# Altium PCB PCB_3U_SMA.PCBDOC (part 1 of 2) (continued)
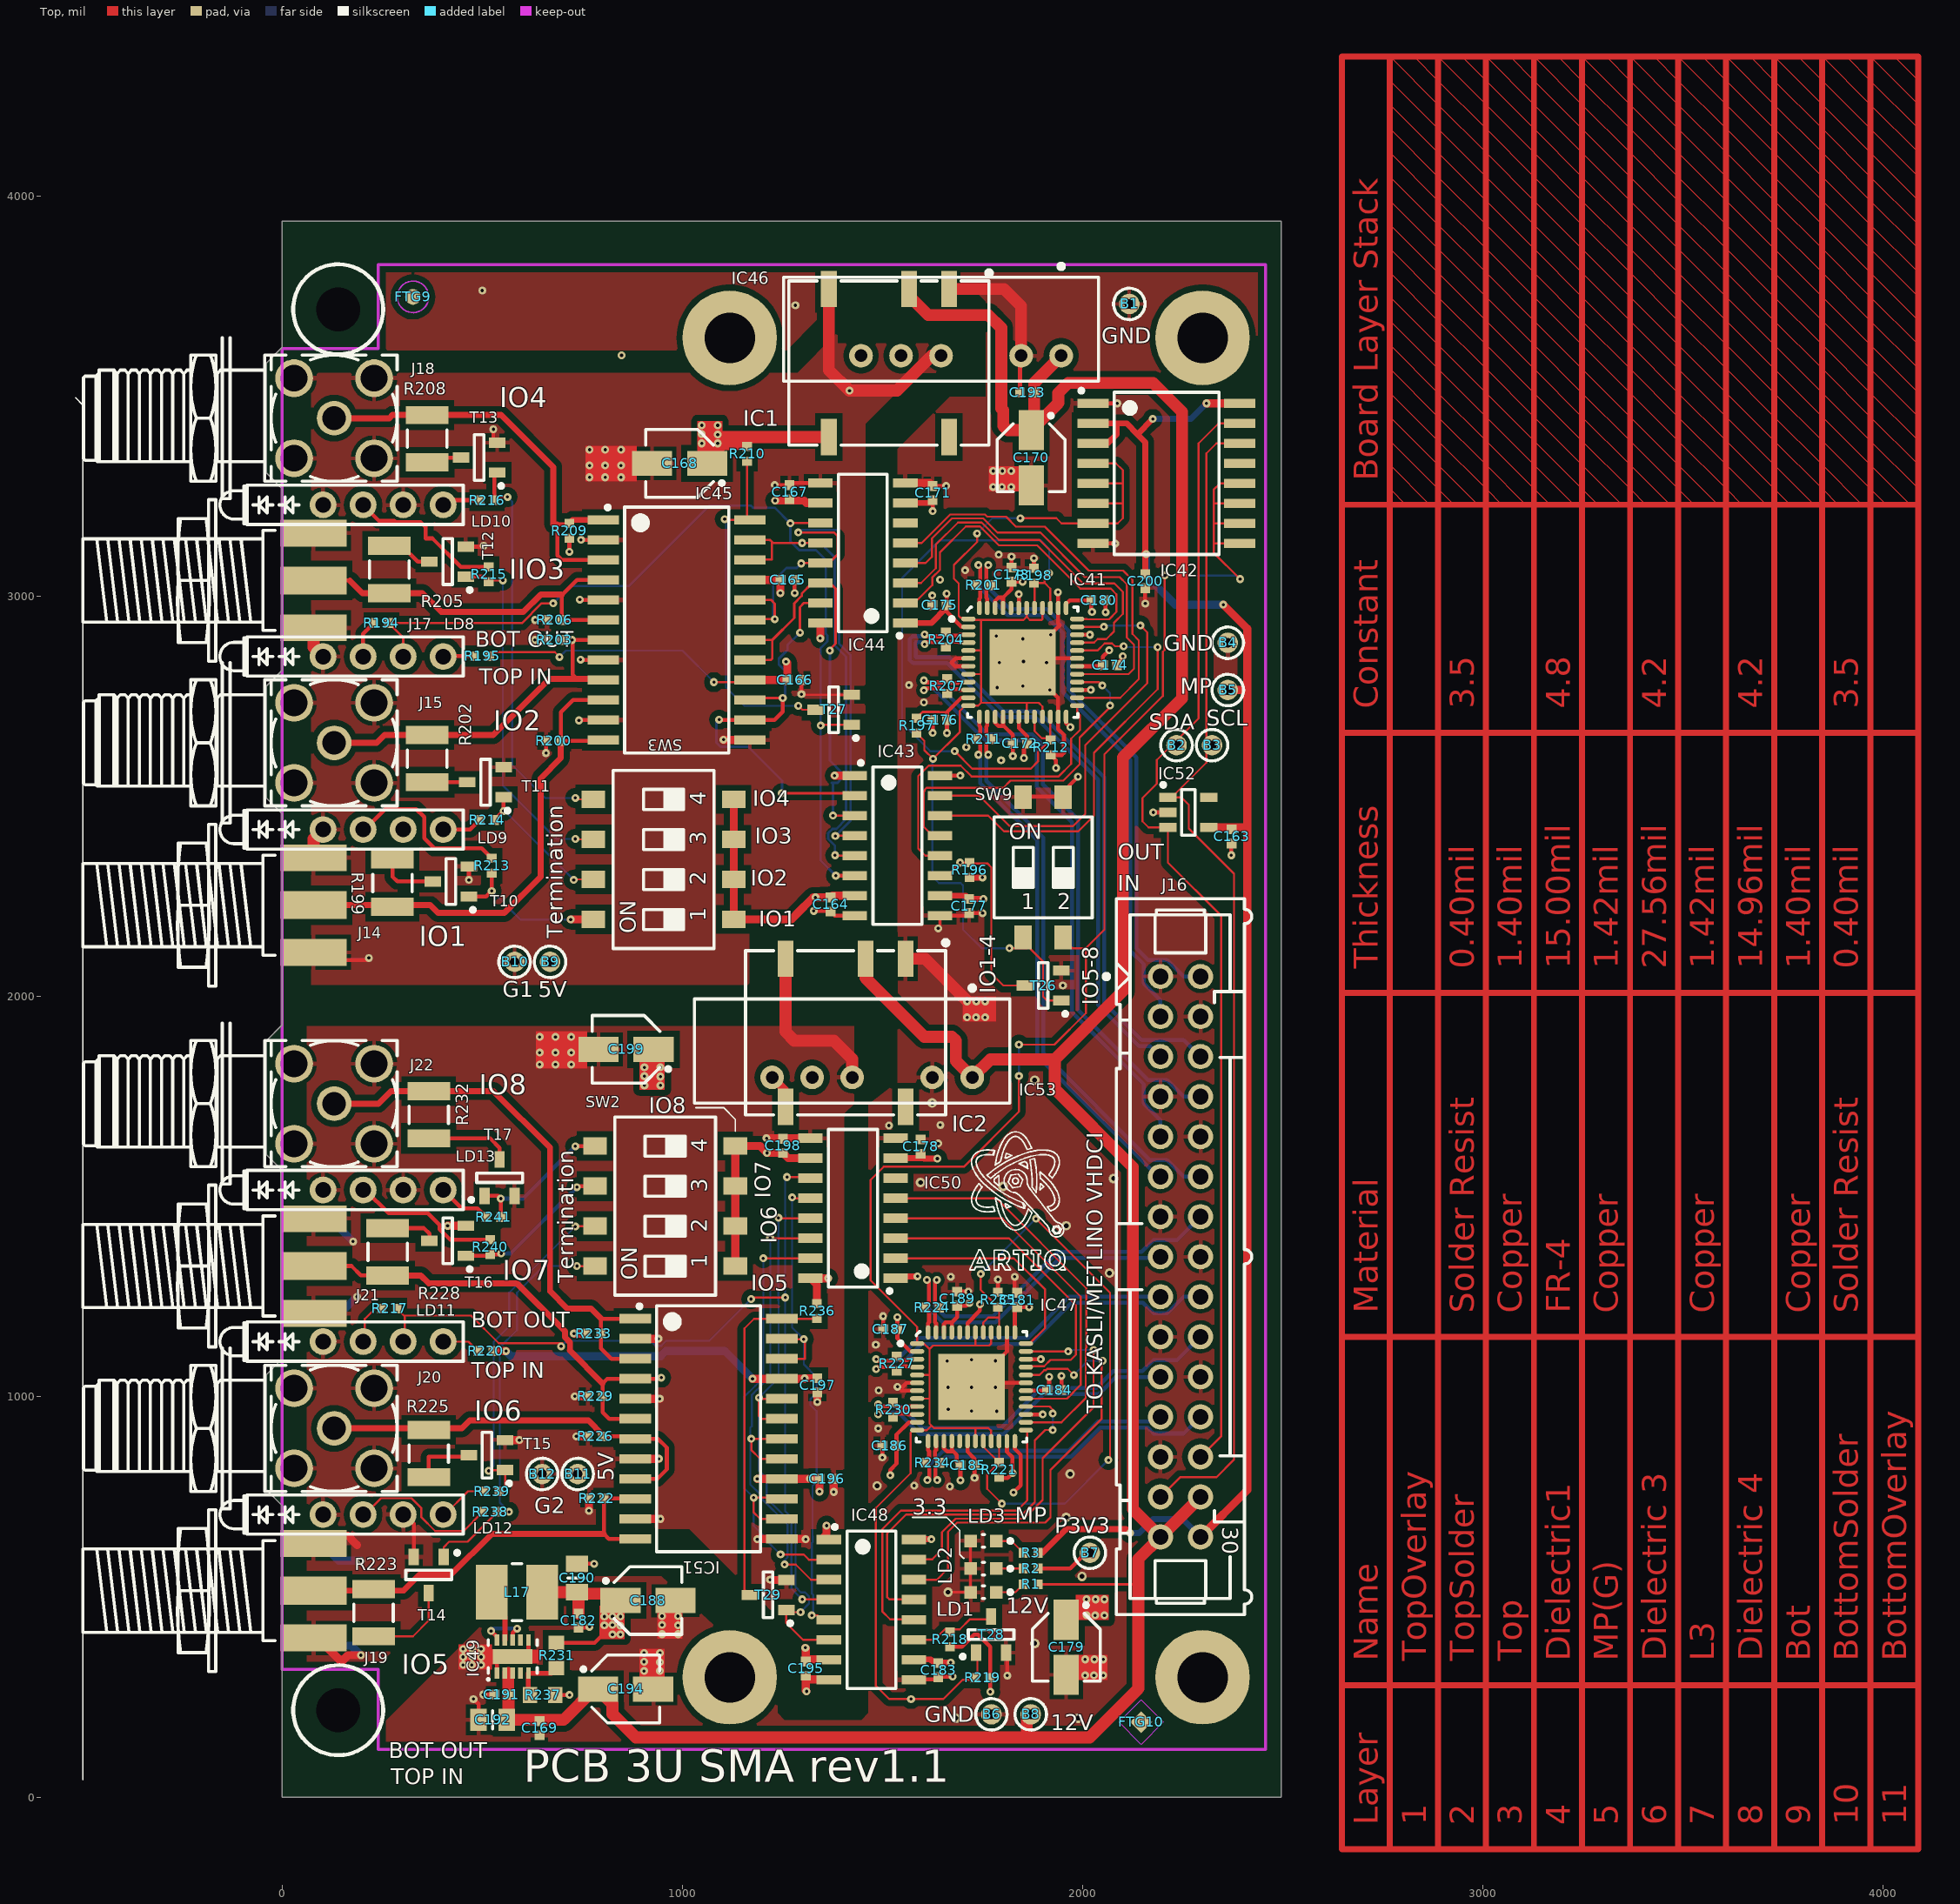
[diagram p0: Top view]
## Footprints (in the part's own frame and the unit in brackets; to place one, negate y for a bottom-side part, rotate by r counter-clockwise, add the part's x,y. Pads: shape width x height; smd on the part's side, far side on the other; paste and mask are expansions set on the pad) (continued)
  rect 2x0.6 smd: 1(-4.65,4.445) 2(-4.65,3.175) 3(-4.65,1.905) 4(-4.65,0.635) 5(-4.65,-0.635) 6(-4.65,-1.905) 7(-4.65,-3.175) 8(-4.65,-4.445) 9(4.65,-4.445) 10(4.65,-3.175) 11(4.65,-1.905) 12(4.65,-0.635) 13(4.65,0.635) 14(4.65,1.905) 15(4.65,3.175) 16(4.65,4.445)
  silkscreen extent -5.52,-5.15 3.32,5.37, body extent -5.18,-5.25 5.18,5.25, height 1.68
SOIC127P1030X265-24N [mm] "SOIC 24, Pitch 1.27mm - Body 7.6x15.6mm, IPC Medium Density"
  rect 2x0.6 smd: 1(-4.65,6.985) 2(-4.65,5.715) 3(-4.65,4.445) 4(-4.65,3.175) 5(-4.65,1.905) 6(-4.65,0.635) 7(-4.65,-0.635) 8(-4.65,-1.905) 9(-4.65,-3.175) 10(-4.65,-4.445) 11(-4.65,-5.715) 12(-4.65,-6.985) 13(4.65,-6.985) 14(4.65,-5.715) 15(4.65,-4.445) 16(4.65,-3.175) 17(4.65,-1.905) 18(4.65,-0.635) 19(4.65,0.635) 20(4.65,1.905) 21(4.65,3.175) 22(4.65,4.445) 23(4.65,5.715) 24(4.65,6.985)
  silkscreen extent -4.5,-7.8 3.3,7.9, body extent -5.18,-7.8 5.18,7.8, height 1.68
SON50P200X300X80-11N-R94X250 [mm] "SON, 10-Leads, Body 2x3mm, Pitch 0.5mm, Thermal Pad 0.94x2.5mm, IPC Medium Density"
  rect 0.7x0.3 smd: 1(-1.05,1) 2(-1.05,0.5) 3(-1.05,0) 4(-1.05,-0.5) 5(-1.05,-1) 6(1.05,-1) 7(1.05,-0.5) 8(1.05,0) 9(1.05,0.5) 10(1.05,1)
  rect 0.94x2.5 smd: 11(0,0)
  silkscreen extent -1.5,-1.55 1.05,1.6, body extent -1.05,-1.55 1.05,1.55, height 0.8
SOT95P240X110-3N [mm] "SOT23 3-Leads, Pitch 0.95mm, Body 1.3x2.9mm, IPC Medium Density"
  rect 1.05x0.65 smd: 1(-1.15,0.95) 2(-1.15,-0.95) 3(1.15,0)
  silkscreen extent -1.53,-1.45 0.3,1.92, body extent -1.25,-1.5 1.25,1.5, height 1.1
SOT95P280X145-5N [mm] "SOT, 0.95mm pitch; 5 pin, 1.60mm W X 2.90mm L X 1.45mm H body, IPC Medium Density"
  rect 1.1x0.6 smd: 1(-1.3,0.95) 2(-1.3,0) 3(-1.3,-0.95) 4(1.3,-0.95) 5(1.3,0.95)
  silkscreen extent -1.72,-1.45 0.43,1.87, body extent -1.4,-1.5 1.4,1.5, height 1.45
SW_OMRON_A6S-2102-H [mm] "Pitch 2.54mm, Body 6.2x6.4mm, 2 Ways SPST Surface-Mounting DIP Switch, OMRON A6S-H"
  rect 1.5x1.1 smd: 1(-4.45,1.27) 2(-4.45,-1.27) 3(4.45,-1.27) 4(4.45,1.27)
  silkscreen extent -3.2,-3.11 3.2,3.11, body extent -4.9,-3.01 4.9,3.01, height 3.97
SW_OMRON_A6S-4102-H [mm] "Pitch 2.54mm, Body 11.3x6.4mm, 4 Ways SPST Surface-Mounting DIP Switch, OMRON A6S-H"
  rect 1.5x1.1 smd: 1(-4.45,3.81) 2(-4.45,1.27) 3(-4.45,-1.27) 4(-4.45,-3.81) 5(4.45,-3.81) 6(4.45,-1.27) 7(4.45,1.27) 8(4.45,3.81)
  silkscreen extent -3.2,-5.65 3.2,5.65, body extent -4.9,-5.55 4.9,5.55, height 3.97

## Part data
B1 B2 B3 B4 B5 B6 B7 B8 B9 B10 B11 B12: library part PLATED_HOLE0.6_PAD1.3, "Single Terminal Socket"
C163 C164 C165 C166 C167 C169 C171 C172 C173 C174 C175 C176 C177 C178 C180 C181 C182 C183 C184 C185 C186 C187 C189 C191 C193 C195 C196 C197 C198 C200: library part CC0402_100NF_16V_10%_X5R, "Non-polarised capacitor"
C168 C170 C179 C188 C194 C199: library part CAE430-540_10UF_16V_20%, "Polarised capacitor"
C190 C192: library part CC0805_22UF_16V_10%_X5R, "Non-polarised capacitor"
FTG9: library part FIDUCIAL_TARGET_C100-200, "Fiducial Target"
FTG10 FTG12: library part FIDUCIAL_TARGET_S100-200, "Fiducial Target"
FTG11: library part FIDUCIAL_TARGET_S200-400, "Fiducial Target"
IC1 IC2: "MURATA, NXE2 Serie, Dual Output DCDC Converter"
IC41 IC47: "4-Channel Half-Duplex M-LVDS Line Transceiver"
IC42: "Remote 8-bit I/O Expander For I2C Bus"
IC43 IC44 IC48 IC50: "Low Power Five-Channel Digital Isolator"
IC45 IC51: "25 Ohms Octal Bus Transceiver With 3-State Outputs"
IC46 IC53: "1 W Watt, 10.8-13.2VDCVin, 5 V@0.2 A"
IC49: "4.75-28VDC to 1-6VDC, 500mA Step-Down Converter With Sleep Mode"
IC52: "1.7V-5.5V, 2K I2C Serial EEPROM With EUI-48 Node Identity"
J14 J17 J19 J21: "50 Ohm, SMA Edge Mount PCB, With Jam Nut And Lock Washer"
J15 J18 J20 J22: "50 Ohm Through Hole SMA Right Angle PCB Jack"
J16: library part 3M_N2530-6002RB, "Connector 30 Male"
L17: library part IND_10UH_10%_MURATA-PS_8400, "Inductor With Core"
LD1 LD2 LD3: library part LED_KINGBRIGHT_KPH-1608CGCK, "LED Green 1C 2A"
LD8 LD11: library part LED_DIALIGHT_571-0112F, "2x LED  Botom Green, Top Red"
LD9 LD10 LD12 LD13: library part LED_DIALIGHT_571-0122F, "LED x2 Green 1C2A-BOT_3C4A-TOP"
R1 R196 R197 R200 R203 R206 R209 R210 R212 R218 R219 R222 R226 R229 R233 R235 R236: library part R0402_10K_1%_0.0625W_100PPM, "Resistor - 1%"
R2 R3 R194 R195 R213 R214 R215 R216 R217 R220 R238 R239 R240 R241: library part R0402_510R_1%_0.0625W_100PPM, "Resistor - 1%"
R198 R201 R204 R207 R211 R221 R224 R227 R230 R234: library part R0402_100R_1%_0.1W_100PPM, "Resistor - 1%"
R199 R202 R205 R208 R223 R225 R228 R232: library part R1210_49R9_1%_0.5W_100PPM_VISHAY_CRCW, "Resistor - 1%"
R231: library part R0603_270K_1%_0.1W_100PPM, "Resistor - 1%"
R237: library part R0603_82K_1%_0.1W_100PPM, "Resistor - 1%"
SW2 SW3: library part SW_OMRON_A6S-4102-H, "4 Ways SPST DIP Switch"
SW9: library part SW_OMRON_A6S-2102-H, "2 Ways SPST DIP Switch"
T10 T11 T12 T13 T14 T15 T16 T17 T26 T27 T28 T29: "N-CHANNEL MOSFET WITH DIODE"

## Free pads (board coordinates)
  round 236.22 hole 125.98: 0(2299.21,299.21) 1(2299.21,3645.67) 2(1118.11,3645.67) 3(1118.11,299.21)
  round 50 hole 110: 1(140,3717) 2(140,217)

## Via types
v1: diameter 19.68, hole 7.87, Top to Bot, tented both sides, 345 vias
v2: diameter 23.62, hole 11.81, Top to Bot, tented both sides, 15 vias

## Nets (pads, with @x,y where several pads share a name; then routed paths per layer and width w, separated by ;. In a path a pad name is that pad's centre, name@x,y a point inside that pad or via, vN(x,y) a via of type N, cw(c..) or ccw(c..) an arc to the next point about the centre after c; other vN are vias at no path point)
DIR1_RD: IC44.6
DIR2_RD: IC50.6
DIR_CTRL1: IC41.1 IC41.5 IC41.8 IC41.12 IC41.19 IC41.21 IC41.40 IC41.42 IC42.4 IC42.5 IC42.6 IC42.7 R197.1 SW9.1 T26.1 | length 2917.1
  Top w5: R197.1@1584.65,2658.66 1604.33,2638.98 1604.33,2615.67 v1(1626,2594) 1693,2661 1693,2714 1705.73,2726.73 IC41.12@1714.17,2726.73 1738.73,2726.73 1746,2734 ; IC41.8@1714.17,2805.47 1745.47,2805.47 1746,2806 ; IC41.5@1714.17,2864.53 1744.47,2864.53 1746,2863 ; v1(1736,3157) 1736,3136 1678,3078 1678,3044 1690,3032 1690,2951 1695,2946 1711.44,2946 IC41.1@1714.17,2943.27 1716.44,2941 1749,2941 ; v1(1816.8,2120.8) SW9.1@1859,2120.8 ; v1(1844,3195) 1934,3195 1947,3182 IC42.7@2025.93,3182 2087,3182 2100,3195 2100,3231 ; SW9.1@1851,2147.64 1851,2137.19 1901,2087.19 1901,2000 1910.84,1990.16 T26.1@1946.28,1990.16 ; IC41.19@1859.84,2699.17 1859.84,2732.16 1858,2734 ; IC41.42@1859.84,2970.83 1859.84,2948.84 ; IC41.40@1897,2968.61 IC41.40@1899.21,2970.83 1899.21,2943.21 1897,2941 1867.69,2941 1859.84,2948.84 ; IC41.21@1899.21,2699.17 1899.21,2724.79 1890,2734 1858,2734 ; IC42.6@2025.93,3232 2099,3232 2100,3231 ; IC42.5@2025.93,3282 2099,3282 2100,3283 ; IC42.4@2025.93,3332 2083,3332 2100,3315 2100,3283 ; 1746,2734 1858,2734 ; 1746,2734 1746,2806 ; 1746,2806 1746,2863 ; 1746,2863 1746,2938 1749,2941 ; 1749,2941 1852,2941 1859.84,2948.84 ; 2100,3231 2100,3283
  Bot w5: v1(1626,2594) 1624.02,2592.02 1624.02,2300.13 1640.69,2283.46 1694.88,2283.46 1700.79,2277.56 1700.79,2167.32 1747.31,2120.8 v1(1816.8,2120.8) ; v1(1736,3157) 1774,3195 v1(1844,3195)
DIR_CTRL2: IC42.9 IC42.10 IC42.11 IC42.12 IC47.1 IC47.5 IC47.8 IC47.12 IC47.19 IC47.21 IC47.40 IC47.42 R219.1 SW9.2 T28.1 | length 5017.3
  Top w5: IC47.8@1586.17,995.47 1616.53,995.47 1617,995 ; IC47.5@1586.17,1054.53 1615.47,1054.53 1617,1053 ; IC47.19@1731.84,889.17 1731.84,921.84 1732,922 ; IC47.42@1731.84,1160.83 1731.84,1129.84 1730,1128 ; T28.1@1736.6,353.72 1736.6,305.1 1724.5,293 1700,293 1652,245 v1(1571,245) 1516,245 1483,278 1483,722 1570,809 1570,910 1576.73,916.73 IC47.12@1586.17,916.73 1610.73,916.73 1622,928 ; IC47.21@1771.21,889.17 1771.21,914.79 1764,922 1732,922 ; IC47.40@1771.21,1160.83 1771.21,1133.21 1766,1128 1730,1128 ; v1(1840.55,1801.18) 1840.55,1712.6 1702.76,1574.8 1502.77,1574.8 1470,1542.03 1470,1291 1586.17,1174.83 IC47.1@1586.17,1133.27 1602.73,1133.27 1617,1119 ; v1(1840.55,1879.92) 1929.13,1879.92 2007.87,1958.66 2007.87,2120.87 ; SW9.2@1951,2147.64 1951,2143.49 1973.69,2120.8 2007.8,2120.8 2007.87,2120.87 ; v1(2205,3052) 2204.34,3051.34 2204.34,2865.82 2200,2861.47 2200,2751 2054,2605 2054,2167 2007.87,2120.87 ; IC42.9@2392.07,3132 2329,3132 2327,3134 ; IC42.10@2392.07,3182 2328,3182 2327,3183 ; IC42.11@2392.07,3232 2330,3232 2327,3229 ; IC42.12@2392.07,3282 2343,3282 2327,3266 2327,3229 ; v1(2393,3043) 2327,3109 2327,3134 ; 1617,995 1617,933 1622,928 ; 1617,995 1617,1053 ; 1617,1053 1617,1119 ; 1617,1119 1626,1128 1730,1128 ; 1622,928 1628,922 1732,922 ; 2327,3134 2327,3183 ; 2327,3183 2327,3229
  Bot w5: v1(1840.55,1801.18) v1(1840.55,1879.92) ; v1(2205,3052) 2384,3052 v1(2393,3043)
GND: B1.1 B4.1 B6.1 C163.1 C169.1 C170.2 C171.1 C172.1 C173.1 C174.1 C175.1 C176.1 C177.1 C178.1 C179.2 C180.1 C181.1 C182.1 C183.1 C184.1 C185.1 C186.1 C187.1 C188.2 C189.1 C190.1 C191.1 C192.1 C193.1 C194.2 C200.1 IC1.1 IC2.1 IC41.6 IC41.7 IC41.18 IC41.23 IC41.27 IC41.31 IC41.34 IC41.38 IC41.43 IC41.49 IC42.1 IC42.8 IC43.9 IC44.8 IC46.2 IC47.6 IC47.7 IC47.18 IC47.23 IC47.27 IC47.31 IC47.34 IC47.38 IC47.43 IC47.49 IC48.9 IC49.1 IC49.6 IC49.11 IC50.8 IC52.2 IC53.2 J16.1 J16.4 J16.7 J16.10 J16.13 J16.16 J16.19 J16.22 J16.25 LD1.1 LD2.1 LD3.1 R198.2 R212.2 R221.2 R235.2 R237.1 SW9.3 SW9.4 T26.2 T28.2 | length 4006.1
  Top w6: v1(1638.81,2170.31) 1643.7,2175.2 1643.3,2175.6 IC43.9@1643.3,2202 ; v2(1663.39,511.81) LD1.1@1719.49,511.81 LD2.1@1719.49,570.87 LD3.1@1719.49,639.76
  Top w10: v1(478,245) 490.57,232.43 C192.1@490.57,193 ; v1(502,256) C191.1@530.28,256 ; IC49.1@536.63,309.66 536.63,343.63 IC49.11@538,345 ; IC49.6@615.37,392.34 615.37,357.63 IC49.11@617,356 ; R237.1@682.5,255 v1(718,255) ; C190.1@736.22,582.68 v1(779.53,582.68) ; C182.1@740.16,423.23 765.75,423.23 v1(767.72,425.2) ; v1(1499.28,848.28) C186.1@1499.28,878 ; C187.1@1501.28,1169 v1(1501.28,1201.28) ; 1547.16,1015.16 IC47.7@1586.17,1015.16 ; 1550,1025 1559.84,1034.84 IC47.6@1586.17,1034.84 ; IC48.9@1560.3,294 1633.72,294 C183.1@1639,299.28 1640.72,301 v1(1675,301) ; v1(1624.02,3001.97) 1624.02,2978.27 C175.1@1624.28,2978 ; C171.1@1625,3275.59 v1(1658.71,3275.59) ; v1(1625.28,2658.72) C176.1@1625.28,2691 ; v1@1636.72,1630.72 v1(1639,1633) ; IC43.9@1643.3,2202 1709.72,2202 C177.1@1716,2208.28 v1(1749.72,2208.28) ; C189.1@1686,1262.72 v1(1714.28,1262.72) ; IC47.18@1712.16,889.17 1712.16,862.84 1729.72,845.28 C185.1@1729.72,829 v1(1729.72,797.28) ; IC47.43@1712.16,1160.83 1712.16,1184.16 1743,1215 v1(1743,1231) ; IC41.7@1714.17,2825.16 1680.84,2825.16 1672,2834 1682.84,2844.84 IC41.6@1714.17,2844.84 ; IC47.49@1722,1025 IC47.49@1731.84,1034.84 ; R221.2@1788,797 1812,797 v1(1825,810) 1824.16,810.84 1824.16,848.84 1810.58,862.42 IC47.23@1810.58,889.17 ; R235.2@1788,1261.5 v1(1788,1293) ; IC47.38@1810.58,1160.83 1810.58,1113.58 IC47.49@1731.84,1034.84 ; v1(1811.4,303.6) T28.2@1811.4,353.72 ; C173.1@1822,3071.72 v1(1822,3099) ; v1(1830,1300) 1830,1265.72 C181.1@1836,1259.72 ; IC41.18@1840.16,2699.17 1840.16,2670.84 1860.72,2650.28 C172.1@1860.72,2632 1853,2624.28 v1(1853,2596) ; IC41.43@1840.16,2970.83 v1(1840.16,3005.16) ; C193.1@1843.28,3509 1843.28,3598.28 IC46.2@1846,3601 ; SW9.4@1853,2500.06 SW9.3@1953,2500.06 ; IC47.27@1857.83,956.1 v1(1899.9,956.1) ; IC47.31@1857.83,1034.84 IC47.49@1731.84,1034.84 ; IC47.34@1857.83,1093.9 v1(1895.1,1093.9) ; R198.2@1878,3070.5 v1(1878,3095) ; v1(1933,2571) 1933,2590.5 R212.2@1920,2603.5 1947.5,2603.5 1953,2609 1953,2654 1938.58,2668.42 IC41.23@1938.58,2699.17 1938.58,2746.42 IC41.49@1850,2835 v1(1852,2837) IC41.49@1859.84,2844.84 ; v1(1938,3010) 1938,2971.41 IC41.38@1938.58,2970.83 1938.58,2931.77 1942.68,2927.68 IC41.49@1859.84,2844.84 ; C184.1@1946.72,1017 v1(1946.72,1052.28) ; SW9.3@1967,2491 1967,2528.02 v1(1988.19,2549.21) ; IC41.27@1985.83,2766.1 v1(2020.1,2766.1) ; IC41.31@1985.83,2844.84 IC41.49@1859.84,2844.84 ; IC41.34@1985.83,2903.9 v1(2017.9,2903.9) ; IC42.8@2025.93,3132 v1(2081,3132) ; IC42.1@2025.93,3482 v1(2086,3482) ; C180.1@2056.72,2990 2056.72,2960.28 v1(2057,2960) ; C174.1@2085.72,2828 2085.72,2830.72 2100,2845 v1(2100,2850) ; v1(2156,2982) C200.1@2156,3020.28 ; v1(2176,2460) IC52.2@2212.82,2460 ; v1(2371,2353) C163.1@2371,2389.82
  Top w20: IC44.8@1556.87,3283.15 1617.44,3283.15 C171.1@1625,3275.59
  Top w30: IC2.1@1557.48,2094.49 1606.3,2094.49 1711,1989.79 v1(1711,1988) ; IC1.1@1665.75,3767.72 1803.15,3767.72 1846,3724.87 IC46.2@1846,3601
  Bot w6: v1@1632.84,2170.31 v1(1638.81,2170.31)
  other v1: 2006,304 2028,304 2051,304 904,315 944,315 452,330 474,330 497,330 944,337 904,338 2006,344 2029,344 2051,344 452,350 475,350 497,350 904,360 944,360 452,370 475,370 497,370 949,407 989,407 989,429 949,430 949,452 989,452 1668,776 1579,778 1489,921 1785,964 1722.44,964.57 1664,969 1490,1016 1663.39,1023.62 1722.44,1023.62 1781.5,1023.62 1537,1025 1661,1089 1782,1090 1722.44,1092.52 1483,1130 1670,1300 1515.75,1677.69 1644,1679 1711,1948 1733,1948 1756,1948 1734,1988 1756,1988 1950.21,2027.56 1796,2590 1709,2623 1603,2735 1918,2766 1786,2772 1850.39,2775.59 1566,2778 1791.34,2834.65 1909.45,2834.65 1850.39,2893.7 1784,2901 1920,2904 1643.7,3041.34 1706,3065 1790,3104 1776,3273 1798,3273 1821,3273 1776,3313 1799,3313 1821,3313 848,3602 1282,3727 500,3764
  other v2: 1683.07,196.85 1988.19,196.85 1879.92,383.86 1998.03,551.18 1958.66,698.82 1486.22,777.56 1968.5,807.09 2066.93,1309.06 1958.66,1427.17 1801.18,1525.59 1594.49,1535.43 2076.77,1545.28 1624.02,1734.02 1879.92,1791.34
GND_ISO1: B10.1 C164.1 C165.1 C166.1 C167.1 C168.2 IC1.7 IC43.8 IC44.9 IC45.2 IC45.5 IC45.8 IC45.11 IC45.13 IC46.4 J14.2 J15.2 J17.2 J18.2 LD8.1 LD9.1 LD9.3 LD10.1 LD10.3 R200.1 R203.1 R206.1 R209.1 T10.2 T11.2 T12.2 T13.2 T27.2 | length 1941.3
  Top w6: v1(1297.24,2755.13) 1298.43,2753.94 T27.2@1423.23,2753.94
  Top w10: J14.2@78.74,2090.85 210.93,2090.85 v1(216.54,2096.46) ; T12.2@458.66,3124.02 501.97,3124.02 v1(503.94,3125.98) ; v1(466.54,2291.33) T10.2@466.54,2324.8 ; v1(527.56,3417.32) 527.56,3393.7 T13.2@537.4,3383.86 ; v1(631.52,2890.84) R203.1@661.02,2890.84 ; v1(632.02,2940.84) R206.1@661.51,2940.84 ; v1(659.02,2608.35) R200.1@659.02,2638.84 ; v1(717.52,3111.35) R209.1@717.52,3144.84 ; v1(741.52,2689.84) 742.52,2690.84 IC45.11@802.45,2690.84 ; v1(743.52,2991.84) 744.52,2990.84 IC45.5@802.45,2990.84 ; v1(745.52,2841.84) 746.52,2840.84 IC45.8@802.45,2840.84 ; v1(746.52,3140.84) IC45.2@802.45,3140.84 ; v1(1230.86,3277.87) C167.1@1267.57,3277.87 1272.86,3283.15 IC44.9@1344.28,3283.15 ; v1(1280.24,3008.13) C165.1@1280.24,3040.84 ; v1(1297.24,2755.13) C166.1@1297.24,2790.84 ; v1(1328,2214) 1368.28,2214 C164.1@1370,2212.28 1380.28,2202 IC43.8@1430.7,2202
  Top w20: v1(1102.52,2641.84) 1103.52,2640.84 IC45.13@1168.59,2640.84
  Top w30: J14.2@78.74,2346.46 78.74,2393.7 LD9.1@102.36,2417.32 ; J17.2@78.74,2921.26 78.74,2873.03 LD8.1@102.36,2849.41 ; IC1.7@1365.75,3767.72 1365.75,3565.35 v1(1417.32,3513.78) 1535.43,3513.78 1622.65,3601 IC46.4@1646,3601
  Bot w10: J14.2@78.74,2090.85 210.93,2090.85 v1(216.54,2096.46)
  other v1: 767.72,3297.24 807.09,3297.24 846.46,3297.24 767.72,3326.77 807.09,3326.77 846.46,3326.77 767.72,3366.14 807.09,3366.14 846.46,3366.14
GND_ISO2: B12.1 C195.1 C196.1 C197.1 C198.1 C199.2 IC2.7 IC48.8 IC50.9 IC51.2 IC51.5 IC51.8 IC51.11 IC51.13 IC53.4 J19.2 J20.2 J21.2 J22.2 LD11.1 LD12.1 LD12.3 LD13.1 LD13.3 R222.1 R226.1 R229.1 R233.1 T14.2 T15.2 T16.2 T17.2 T29.2 | length 2185.7
  Top w10: LD12.3@306.3,705.71 328.74,683.27 T14.2@328.74,600.39
  Top w20: J19.2@78.74,378.25 108.07,378.25 148.32,338 164.65,354.33 v1(196.85,354.33) ; J19.2@78.74,653.25 163.68,653.25 187.01,629.92 ; v1(413.39,1427.17) T16.2@458.66,1427.17 ; T15.2@557.09,891.73 v1(592.52,891.73) ; v1(729,1158) R233.1@759.5,1158 ; v1(731,1001) R229.1@763.5,1001 ; v1(735,901) R226.1@763.5,901 ; v1(766.5,715.5) R222.1@766.5,746 ; IC51.11@881.93,695 v1(945,695) ; IC51.8@881.93,845 v1(941,845) ; IC51.5@881.93,995 v1(943,995) ; IC51.2@881.93,1145 v1(940,1145) ; v1(1187,644) 1188,645 IC51.13@1248.07,645 1307,645 v1(1308,644) ; v1(1210,1646) IC50.9@1319.7,1646 ; v1(1219,543) 1219.6,542.4 T29.2@1259.28,542.4 ; C195.1@1308,303.28 C195.1@1308,294 ; v1(1310,264) 1308,266 C195.1@1308,294 ; v1(1337,987) C197.1@1337,1011.28 ; IC48.8@1347.7,294 C195.1@1308,294 ; v1(1377.72,762.28) C196.1@1377.72,795
  Top w30: IC2.7@1257.48,2094.49 1257.48,1911.81 1279.53,1889.76 1377.95,1889.76 1424,1843.72 IC53.4@1424,1798
  Bot w20: J19.2@78.74,378.25 172.93,378.25 v1(196.85,354.33) ; J19.2@78.74,653.25 141.44,590.55 v1(196.85,590.55) ; J21.2@78.74,1189.27 126.28,1189.27 v1(187.01,1250) ; J21.2@78.74,1464.27 100.69,1464.27 v1(177.17,1387.8)
  other v1: 643.46,1830.28 682.83,1830.28 722.2,1830.28 643.46,1859.8 682.83,1859.8 722.2,1859.8 643.46,1899.17 682.83,1899.17 722.2,1899.17
I2C_SCL: B3.1 IC42.14 IC52.1 J16.27 | length 2963.3
  Top w5: J16.27@2194,750 2243,799 2334,799 2378,843 2378,2307 2265,2420 2265,2479 2246.6,2497.4 IC52.1@2212.82,2497.4 2221.81,2497.4 2309,2584.59 2309,3357 2334,3382 IC42.14@2392.07,3382
I2C_SDA: B2.1 IC42.15 IC52.3 J16.26 | length 2845.3
  Top w5: J16.26@2294,850 2346,902 2346,2201.24 2212.82,2334.43 IC52.3@2212.82,2422.6 2164.4,2422.6 2149,2438 2149,2496 2185,2532 2185,2591 2289,2695 2289,3382 2339,3432 IC42.15@2392.07,3432
IO1: IC45.10 IC45.12 J14.1 R199.2 R200.2 | length 1243.1
  Top w10: IC45.12@775.45,2638.84 R200.2@696.02,2638.84 696.02,2710.35 726.52,2740.84 IC45.10@802.45,2740.84
  Top w15: J14.1@78.74,2228.35 370.08,2228.35 389.76,2208.66 555.12,2208.66 645.67,2299.21 645.67,2545.28 696.02,2595.63 R200.2@696.02,2638.84
IO2: IC45.7 IC45.9 J15.1 R202.2 R203.2 | length 983.6
  Top w10: R203.2@698.02,2890.84 v1(724.52,2890.84) v1@728.52,2890.84 ; IC45.7@772.45,2890.84 v1@728.52,2890.84 ; IC45.9@802.45,2790.84 738.52,2790.84 725.68,2803.68 725.68,2888 v1@728.52,2890.84
  Top w15: J15.1@129.92,2633.86 236.22,2633.86 255.91,2653.54 R202.2@362.2,2653.54 527.56,2653.54 667.86,2793.84 IC45.9@802.45,2793.84
IO3: IC45.4 IC45.6 J17.1 R205.2 R206.2 | length 931.5
  Top w10: J17.1@78.74,3039.37 169.29,3039.37 ; IC45.6@776.94,2940.84 R206.2@698.52,2940.84 698.52,3002.84 736.52,3040.84 IC45.4@802.45,3040.84
  Top w15: 169.29,3039.37 200.79,3007.87 R205.2@267.72,3007.87 350.39,3007.87 397.64,2960.63 602.36,2960.63 646.36,3004.63 696.74,3004.63 698.52,3002.84
IO4: IC45.1 IC45.3 J18.1 R208.2 R209.2 | length 1074.7
  Top w10: R209.2@717.52,3181.85 715.31,3179.65 687.52,3179.65 687.52,3101.84 698.52,3090.84 IC45.3@802.45,3090.84
  Top w15: J18.1@129.92,3444.88 267.72,3444.88 275.59,3452.76 R208.2@362.2,3452.76 547.24,3452.76 677.17,3322.83 677.17,3179.65 687.52,3179.65 ; R209.2@717.52,3181.85 726.51,3190.84 IC45.1@802.45,3190.84
IO5: IC51.10 IC51.12 J19.1 R222.2 R223.2 | length 1030.8
  Top w10: R222.2@803.5,746.76 R222.2@803.5,746 ; IC51.10@877.93,746 R222.2@803.5,746 ; IC51.12@881.93,645 816,645 803.5,657.5 R222.2@803.5,746
  Top w15: J19.1@78.74,515.75 303.15,515.75 342.52,555.12 421.26,555.12 523.64,657.5 803.5,657.5
IO6: IC51.7 IC51.9 J20.1 R225.2 R226.2 | length 1009.4
  Top w10: R226.2@800.5,901 IC51.7@880.93,901 ; IC51.9@881.93,795 937,795 961,819 961,873 939,895 IC51.7@881.93,895
  Top w15: J20.1@129.92,921.26 448.82,921.26 468.5,940.94 764.85,940.94 800.5,905.29 R226.2@800.5,901
IO7: IC51.4 IC51.6 J21.1 R228.2 R229.2 | length 1177.9
  Top w10: J21.1@78.74,1326.77 173.23,1326.77 196.85,1303.15 R228.2@263.78,1303.15 ; IC51.6@881.93,945 817,945 800.5,961.5 R229.2@800.5,1001 800.5,1033.5 812,1045 IC51.4@881.93,1045 944,1045 v1(947,1048)
  Top w15: R228.2@263.78,1303.15 346.46,1303.15 366.14,1283.46 586.61,1283.46 706.32,1163.76 706.32,1148.86 719.19,1135.99 719.19,1116.73 718.24,1115.77 800.5,1033.5
IO8: IC51.1 IC51.3 J22.1 R232.2 R233.2 | length 1381.4
  Top w10: IC51.3@881.93,1095 822,1095 796.5,1120.5 R233.2@796.5,1158 796.5,1195 IC51.1@881.93,1195
  Top w15: J22.1@129.92,1732.28 240.16,1732.28 271.65,1763.78 R232.2@366.14,1763.78 527.56,1763.78 669.29,1622.05 669.29,1263.78 712.6,1220.47 771.65,1220.47 796.5,1195.62 796.5,1195
LED_OUT1: IC43.6 IC44.11 LD8.3 R194.1 T27.1 | length 2408.7
  Top w6: LD8.3@302.36,2849.41 302.36,2897.24 R194.1@266.54,2933.07 599.01,2933.07 648.22,2982.28 v1(677.17,2982.28) ; v1(1269.57,3182.15) 1270.57,3183.15 IC44.11@1344.28,3183.15 ; v1(1345.16,2677.17) 1347.13,2679.13 T27.1@1423.23,2679.13
  Top w10: v1(1383,2302) IC43.6@1430.7,2302
  Bot w6: v1(677.17,2982.28) 720.47,3025.59 866.14,3025.59 1066.93,3226.38 1171.26,3226.38 1176.33,3221.31 1230.42,3221.31 v1(1269.57,3182.15) 1269.57,3137.55 1291.82,3115.31 1333.51,3115.31 1358.27,3090.55 1358.27,2906.09 1362.12,2902.24 1362.12,2887.46 1345.16,2870.5 v1(1345.16,2677.17) 1345.16,2631.22 1345.16,2339.84 v1(1383,2302)
LED_OUT2: IC48.6 IC50.11 LD11.3 R217.1 T29.1 | length 2529
  Top w5: R217.1@286.22,1220.47 303.94,1202.76 ; LD11.3@306.3,1137.8 306.3,1200.39 303.94,1202.76 ; v1(696.85,1125.98) 696.85,1130.6 700.11,1133.86 540.92,1133.86 472.02,1202.76 303.94,1202.76 ; v1(1171.26,1244.09) 1175.2,1248.03 v1(1256.66,1248.03) ; v1(1261,1549) 1316.7,1549 IC50.11@1319.7,1546 ; v1(1295,462) 1264.87,462 T29.1@1259.28,467.6 1259.28,434.72 1301,393 IC48.6@1365.7,393
  Bot w5: v1(696.85,1125.98) 710.76,1139.89 920.58,1139.89 932.82,1127.66 947.18,1127.66 959.42,1139.89 1067.06,1139.89 v1(1171.26,1244.09) ; v1(1261,1549) 1256.66,1544.66 1256.66,1454.87 1257.34,1454.18 1257.34,1439.82 1256.66,1439.13 v1(1256.66,1248.03) 1256.66,714.63 1282.34,688.94 1282.34,524.8 1295.8,511.34 1306.18,511.34 1316.34,501.18 1316.34,483.34 v1(1295,462)
LVDS1_N: IC41.48 J16.3 R201.2 | length 1491.7
  Top w10: v1(1739.16,3078) 1744,3073.16 1744,3039.5 R201.2@1732.5,3028 1744.07,3016.42 1744.07,2995.89 1741.73,2993.54 IC41.48@1741.73,2970.83
  Bot w10: v1(1739.16,3078) 1741,3078 1744,3075 1744,3020.72 1811.91,2952.81 1904.98,2952.81 1949.89,2907.89 1949.89,2760.11 2119,2591 2119,2114.4 2152.51,2080.89 2152.51,2032.81 2194,1991.32 J16.3@2194,1950
LVDS1_P: IC41.47 J16.2 R201.1 | length 1478.4
  Top w10: IC41.47@1761.42,2970.83 1761.42,2993.54 1759.07,2995.89 1759.07,3017.57 R201.1@1769.5,3028 1759,3038.5 1759,3073.16 v1(1763.84,3078)
  Bot w10: v1(1763.84,3078) 1762,3078 1759,3075 1759,3026.94 1818.13,2967.81 1911.19,2967.81 1964.89,2914.11 1964.89,2766.32 2134,2597.21 2134,2120.61 2163.11,2091.5 2211.19,2091.5 2252.69,2050 J16.2@2294,2050
LVDS2_N: IC41.4 J16.6 R204.2 | length 1643.5
  Top w10: v1(1605,2880.16) 1605,2885 1646.5,2885 R204.2@1658,2873.5 1663,2878.5 1663,2878.56 1671,2886.56 1689.11,2886.56 1691.46,2884.21 IC41.4@1714.17,2884.21
  Bot w10: v1(1605,2880.16) 1605.92,2881.08 1603.13,2881.08 1599.21,2885 1582.62,2885 1582.62,2848 1667,2848 1802,2713 1888.21,2713 2053.13,2548.08 2053.13,1984.87 2147,1891 2176.32,1891 2176.81,1891.5 2252.51,1891.5 J16.6@2294,1850
LVDS2_P: IC41.3 J16.5 R204.1 | length 1585
  Top w10: v1(1605,2904.84) 1605,2902.06 1607.06,2900 1647.5,2900 R204.1@1658,2910.5 1666.95,2901.56 1689.11,2901.56 1691.46,2903.9 IC41.3@1714.17,2903.9
  Bot w10: v1(1605,2904.84) 1605.92,2903.92 1602,2900 1574.79,2900 1567.62,2892.83 1567.62,2840.38 1575,2833 1660.79,2833 1795.79,2698 1882,2698 2038.13,2541.87 2038.13,1978.66 2140.79,1876 2168,1876 J16.5@2194,1850
LVDS3_N: IC41.10 J16.9 R207.2 | length 1571.4
  Top w10: v1(1603,2765.16) 1607.84,2770 1648.5,2770 R207.2@1661,2757.5 1671.95,2768.44 1689.11,2768.44 1691.46,2766.1 IC41.10@1714.17,2766.1
  Bot w10: v1(1603,2765.16) 1603,2768 1605,2770 1626,2770 1755.5,2640.5 1867.5,2640.5 1885,2623 1885,2523.79 1973,2435.79 1973,1960.4 2152.51,1780.89 2152.51,1732.81 2194,1691.32 J16.9@2194,1650
LVDS3_P: IC41.9 J16.8 R207.1 | length 1582.6
  Top w10: v1(1603,2789.84) 1607.84,2785 1651.5,2785 R207.1@1661,2794.5 1672.06,2783.44 1689.11,2783.44 1691.46,2785.79 IC41.9@1714.17,2785.79
  Bot w10: v1(1603,2789.84) 1603,2787 1605,2785 1632.21,2785 1761.71,2655.5 1873.71,2655.5 1900,2629.21 1900,2530 1988,2442 1988,1966.61 2163.11,1791.5 2211.19,1791.5 2252.69,1750 J16.8@2294,1750
LVDS4_N: IC41.14 J16.12 R211.2 | length 1434.9
  Top w10: IC41.14@1761.42,2699.17 1761.42,2676.46 1759.07,2674.11 1759.07,2654.43 R211.2@1770.5,2643 1759,2631.5 1759,2608.84 v1(1763.84,2604)
  Bot w10: v1(1763.84,2604) 1759,2599.16 1759,2539 1901,2397 1901,1858.21 2167.72,1591.5 2211.19,1591.5 2252.69,1550 J16.12@2294,1550
LVDS4_P: IC41.13 J16.11 R211.1 | length 1352.8
  Top w10: v1(1739.16,2604) 1744,2608.84 1744,2632.5 R211.1@1733.5,2643 1744.07,2653.58 1744.07,2674.11 1741.73,2676.46 IC41.13@1741.73,2699.17
  Bot w10: v1(1739.16,2604) 1744,2599.16 1744,2532.79 1886,2390.79 1886,1852 2188,1550 J16.11@2194,1550
LVDS5_N: IC47.48 J16.15 R224.2 | length 879.5
  Top w10: v1(1610.66,1292) 1613.5,1292 1615.5,1290 1615.5,1235 1604.5,1224 1616.07,1212.42 1616.07,1185.89 1613.73,1183.54 IC47.48@1613.73,1160.83
  Bot w10: v1(1610.66,1292) 1615.5,1287.16 1615.5,1220.29 1649.79,1186 1782,1186 1943,1347 2191,1347 J16.15@2194,1350
LVDS5_P: IC47.47 J16.14 R224.1 | length 989.4
  Top w10: IC47.47@1633.42,1160.83 1633.42,1183.54 1631.07,1185.89 1631.07,1213.57 1641.5,1224 1630.5,1235 1630.5,1290 1632.5,1292 v1(1635.34,1292)
  Bot w10: v1(1635.34,1292) 1630.5,1287.16 1630.5,1226.5 1656,1201 1775.79,1201 1936.79,1362 2147.32,1362 2176.81,1391.5 2235.5,1391.5 J16.14@2294,1450
LVDS6_N: IC47.4 J16.18 R227.2 | length 1022.7
  Top w10: v1(1484,1069.16) 1484,1070 1488,1074 1516.5,1074 1518,1075.5 1524,1075.5 R227.2@1535,1064.5 1547.06,1076.56 1561.11,1076.56 1563.46,1074.21 IC47.4@1586.17,1074.21
  Bot w10: v1(1484,1069.16) 1488.84,1074 1539.21,1074 1597.21,1132 1869.21,1132 1972.21,1235 2150.32,1235 2176.81,1208.51 2211.19,1208.51 2252.69,1250 J16.18@2294,1250
LVDS6_P: IC47.3 J16.17 R227.1 | length 893.6
  Top w10: v1(1484,1093.84) 1484,1093 1488,1089 1510.29,1089 1511.79,1090.5 1524,1090.5 R227.1@1535,1101.5 1544.95,1091.56 1561.11,1091.56 1563.46,1093.9 IC47.3@1586.17,1093.9
  Bot w10: v1(1484,1093.84) 1488.84,1089 1533,1089 1591,1147 1863,1147 1966,1250 J16.17@2194,1250
LVDS7_N: IC47.10 J16.21 R230.2 | length 898.3
  Top w10: v1(1489,956.16) 1493.84,961 1514,961 1525.5,949.5 R230.2@1526,949.5 1534.95,958.44 1561.11,958.44 1563.46,956.1 IC47.10@1586.17,956.1
  Bot w10: v1(1489,956.16) 1489,958 1492,961 1539,961 1593,907 1802,907 1902,1007 2040.21,1007 2082.21,1049 2193,1049 J16.21@2194,1050
LVDS7_P: IC47.9 J16.20 R230.1 | length 1034.8
  Top w10: v1(1489,980.84) 1493.84,976 1514,976 1524.5,986.5 1537.56,973.44 1561.11,973.44 1563.46,975.79 IC47.9@1586.17,975.79
  Bot w10: v1(1489,980.84) 1489,979 1492,976 1545.21,976 1599.21,922 1795.79,922 1895.79,1022 2034,1022 2076,1064 2149.32,1064 2176.81,1091.5 2235.5,1091.5 J16.20@2294,1150
LVDS8_N: IC47.14 J16.24 R234.2 | length 871.5
  Top w10: IC47.14@1633.42,889.17 1633.42,866.46 1631.07,864.11 1631.07,846.43 R234.2@1642.5,835 1631.5,824 1631.5,794 1633.5,792 v1(1636.34,792)
  Bot w10: v1(1636.34,792) 1631.5,796.84 1631.5,823.5 1658,850 1971,850 2044,923 2162.32,923 2176.81,908.51 2252.51,908.51 J16.24@2294,950
LVDS8_P: IC47.13 J16.23 R234.1 | length 777.8
  Top w10: v1(1611.66,792) 1614.5,792 1616.5,794 1616.5,824 R234.1@1605.5,835 1616.07,845.58 1616.07,864.11 1613.73,866.46 IC47.13@1613.73,889.17
  Bot w10: v1(1611.66,792) 1616.5,796.84 1616.5,829.71 1651.79,865 1964.79,865 2037.79,938 2182,938 J16.23@2194,950
NetIC41_20: IC41.20 IC41.22 IC41.39 IC41.41 R198.1 R212.1 | length 1630.9
  Top w5: v1(1680,2613) 1724,2569 1870,2569 1888,2587 1888,2610 1918.5,2640.5 R212.1@1918.9,2640.5 ; IC41.20@1879.53,2699.17 1879.53,2663.47 1898,2645 1914.4,2645 R212.1@1918.9,2640.5 ; IC41.41@1879.53,2970.83 1879.53,3031.97 R198.1@1878,3033.5 1904.5,3033.5 ; v1(1916,3058) 1904.5,3046.5 1904.5,3033.5 ; IC41.22@1918.9,2699.17 R212.1@1918.9,2640.5 ; IC41.39@1918.9,2970.83 1918.9,3019.1 1904.5,3033.5 ; R212.1@1920,2640.5 R212.1@1918.9,2640.5
  Bot w5: v1(1680,2613) 1619,2613 1548.66,2683.34 1548.66,3045.66 1643,3140 1728.47,3140 1728.82,3139.66 1743.18,3139.66 1743.53,3140 1894,3140 1916,3118 v1(1916,3058)